# Altium PCB 6.PCB1.PcbDoc (continued)
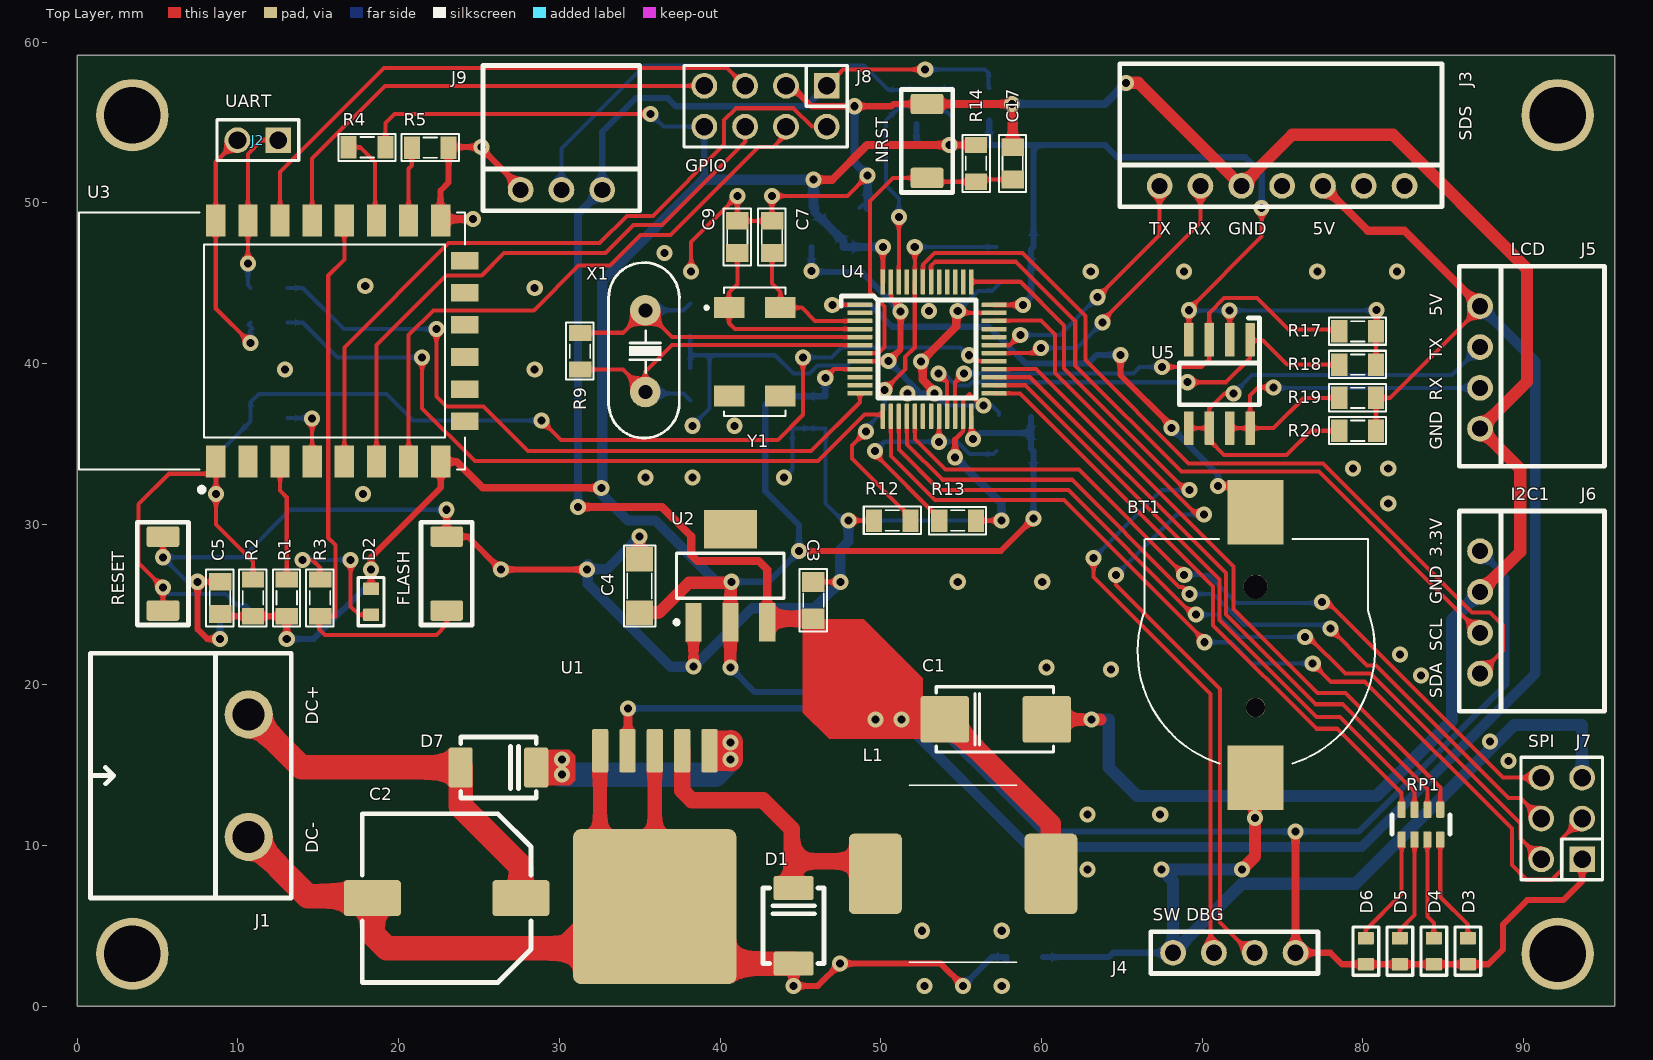
[diagram p0: Top Layer view]
## Footprints (in the part's own frame and the unit in brackets; to place one, negate y for a bottom-side part, rotate by r counter-clockwise, add the part's x,y. Pads: shape width x height; smd on the part's side, far side on the other; paste and mask are expansions set on the pad) (continued)
HEADER-4P-2.54-90 [mm] "2.54mm"
  round 1.6 hole 1 mask+0.1: 1(-3.81,0) 2(-1.27,0) 3(1.27,0) 4(3.81,0)
  silkscreen extent -6.15,-7.73 6.3,1.3, body extent -6.15,-7.73 6.15,0.3, height 5.84
HEADER-7P-2.54-90 [mm] "2.54mm"
  round 1.6 hole 1 mask+0.1: 1(-7.62,0) 2(-5.08,0) 3(-2.54,0) 4(0,0) 5(2.54,0) 6(5.08,0) 7(7.62,0)
  silkscreen extent -9.96,-7.6 10.1,1.3, body extent -9.96,-7.73 9.96,0.3, height 5.84
JP2-D1T [mm] "2 pins, 1 row, straight, gold plating"
  rect 1.6x1.6 hole 1.1: 1(0,0)
  round 1.6 hole 1.1: 2(2.54,0)
  silkscreen extent -1.27,-1.27 3.81,1.27, body extent -1.27,-1.27 3.81,1.27, height 8.54
JP3-D2T [mm] "6 pins, dual pin, straight, gold plating"
  rect 1.6x1.6 hole 1.1: 1(-2.54,-1.27)
  round 1.6 hole 1.1: 2(0,-1.27) 3(2.54,-1.27) 4(2.54,1.27) 5(0,1.27) 6(-2.54,1.27)
  silkscreen extent -3.81,-2.54 3.81,2.54, body extent -3.81,-2.54 3.81,2.54, height 8.55
JP4-D2T [mm] "8 pins, dual pin, straight, gold plating"
  rect 1.61x1.6 hole 1.1: 1(-3.81,-1.27)
  oval 1.61x1.6 hole 1.1: 2(-1.27,-1.27) 3(1.27,-1.27) 4(3.81,-1.27) 5(3.81,1.27) 6(1.27,1.27) 7(-1.27,1.27) 8(-3.81,1.27)
  silkscreen extent -5.08,-2.54 5.08,2.54, body extent -5.08,-2.54 5.08,2.54, height 8.55
KF7.62 [mm]
  round 3 hole 2 mask+0.1: 1(-3.81,0) 2(3.81,0)
  silkscreen extent -7.62,-9.85 7.62,2.65, body extent -7.62,-9.85 7.62,2.65, height 10.4
LED-SMD-0603-Blue [mm]
  rrect20% 0.8x1 smd: 1(-0.808,0) 2(0.808,0)
  silkscreen extent -1.5,-0.8 1.5,0.8, body extent -0.81,-0.5 0.81,0.5, height 0.98
Res-Array-0603x4 [mm]
  rrect20% 0.5x1 smd mask+0.1: 1(-1.2,-0.927) 2(-0.4,-0.927) 3(0.4,-0.927) 4(1.2,-0.927) 5(1.2,0.927) 6(0.4,0.927) 7(-0.4,0.927) 8(-1.2,0.927)
  silkscreen extent -1.8,-0.6 1.8,0.6, body extent -1.6,-0.8 1.6,0.8, height 0.61
RES-SMD-0805 [mil]
  rect 39.37x55 smd: 1(-45,0) 2(45,0)
  silkscreen extent -70,-34 70,33, body extent -39,-25 39,25, height 31
SM-CAP-0805 [mil]
  rect 50x55 smd: 1(0,0) 2(90,0)
  silkscreen extent -32,-34 121,33, body extent 6,-25 84,25, height 31
SM-Cap-1206 [mil]
  rect 60x65 smd: 1(0,0) 2(130,0)
  silkscreen extent -34,-38 164,39, body extent 1,-31 127,32, height 40
SOP8 [mm] "SMD"
  rrect20% 0.6x2.1 smd mask+0.1: 1(-1.905,-2.75) 2(-0.635,-2.75) 3(0.635,-2.75) 4(1.905,-2.75) 5(1.905,2.75) 6(0.635,2.75) 7(-0.635,2.75) 8(-1.905,2.75)
  silkscreen extent -2.5,-4.1 2.5,1.3, body extent -2.47,-3.05 8.3,3.06, height 10
SOT223 [mm]
  rect 1x2.4 smd: 1(-2.3,-2.9) 2(0,-2.9) 3(2.3,-2.9)
  rect 3.3x2.4 smd: 4(0,2.9)
  silkscreen extent -3.47,-3.02 3.35,1.4, body extent -3.25,-3.56 3.25,3.4, height 1.68
Tantalium7343Final [mm] "Molded Capacitor, 2-Leads, Body 10.00x6.00mm, IPC Medium Density"
  rrect10% 3x2.9 smd: 1(-3.175,0) 2(3.175,0)
  silkscreen extent -3.7,-2.03 3.6,2.03, body extent -3.85,-2.32 3.75,2.28, height 3.1
XT2 [mil] "Footpin for Crystal 2 pin"
  round 75 hole 34: 1(-100,0) 2(100,0)
  silkscreen extent -213,-83 217,90, body extent -216,-87 216,90, height 144

## Part data
BT1: library part BC501SM-TR, "3", Package="DFN-8 MPD", Availability=Unavailable, MF="MPD _Memory", MP=BC501SM-TR, Price=None, SnapEDA_Link=https://www.snapeda.com/parts/BC501SM-TR/MPD%20%28Memory%20Protection%20Devices%29/view-part/?ref=snap
C1: library part CP3, "220uF-10V tantalum 227A", Description 1="1000uF/6,3V - 470uF/16V - 330uF - 25V", Description 2="220uF/35V - 100uF/50V - 63V - 4,7uF/200V", Description 3="22uF => 33uF100V - 3,3uF => 4,7uF/250V", Description 4="2,2uF =>3,3uF/350 - 2,2uF/400V - 1uF/450V"
C2: library part CP3, "470uF/35V 10x10.5mm", Description 1="1000uF/6,3V - 470uF/16V - 330uF - 25V", Description 2="220uF/35V - 100uF/50V - 63V - 4,7uF/200V", Description 3="22uF => 33uF100V - 3,3uF => 4,7uF/250V", Description 4="2,2uF =>3,3uF/350 - 2,2uF/400V - 1uF/450V"
C3: library part CN, Designed by=VanDungEvn
C4: library part CN, "10uF-1206", Designed by=VanDungEvn
C5 C6 C17: library part CM, "Cap SMD 0805"
C7 C8 C9 C10: library part CM, "Cap SMD"
C11 C12 C13 C14 C16: library part CM, "Cap smd 0805"
C15: library part CP3, "4.7uF-16V tantalum 475C SMD3216", Description 1="1000uF/6,3V - 470uF/16V - 330uF - 25V", Description 2="220uF/35V - 100uF/50V - 63V - 4,7uF/200V", Description 3="22uF => 33uF100V - 3,3uF => 4,7uF/250V", Description 4="2,2uF =>3,3uF/350 - 2,2uF/400V - 1uF/450V"
D1 D7: library part Diode, "SS34 SMB", Code - JEDEC=DO-214-AB, Published=8-Jun-2000, Publisher="Altium Limited", Revision="July-2002: Re-released for DXP Platform."
D2 D3 D4 D5 D6: library part "LED SMD", "LED 0603"
FLASH NRST RESET: library part SW2, "Switch button 2 pin"
J1: Manufacturer="Würth Elektronik eiSos GmbH", partNo=691103110002, ComponentLink1 Description=Manufacturer, ComponentLink1URL=http://www.we-online.com, ComponentLink2 Description=Datasheet, ComponentLink2URL=http://katalog.we-online.de/em/datasheet/6911031100xx.pdf, Created by="Karrer Zheng", Created Date="29 October 2013", NoPins=2
J2: library part JP2, "WR-PHD 2.54 mm Angled Socket Header", Manufacturer="Würth Elektronik eiSos GmbH", partNo=613002143121, ComponentLink1 Description=Manufacturer, ComponentLink1URL=http://www.we-online.com, ComponentLink2 Description=Datasheet, ComponentLink2URL=http://katalog.we-online.de/em/datasheet/6130xx143121.pdf, Created by="Karrer Zheng", Created Date="29 March 2013", NoPins=02
J3: library part JP7, "WR-PHD 2.54 mm Angled Socket Header", Manufacturer="Würth Elektronik eiSos GmbH", partNo=613007143121, ComponentLink1 Description=Manufacturer, ComponentLink1URL=http://www.we-online.com, ComponentLink2 Description=Datasheet, ComponentLink2URL=http://katalog.we-online.de/em/datasheet/6130xx143121.pdf, Created by="Karrer Zheng", Created Date="29 March 2013", NoPins=07
J4: library part JP4x1-2.0, "Debug", Manufacturer="Würth Elektronik eiSos GmbH", partNo=62000411821, ComponentLink1 Description=Manufacturer, ComponentLink1URL=http://www.we-online.com, ComponentLink2 Description=Datasheet, ComponentLink2URL=http://katalog.we-online.de/em/datasheet/6200xx11821.pdf, Created by="Karrer Zheng", Created Date="2 April 2013", NoPins=04
J5 J6: library part JP4, "WR-PHD 2.54 mm Angled Socket Header", Manufacturer="Würth Elektronik eiSos GmbH", partNo=613004143121, ComponentLink1 Description=Manufacturer, ComponentLink1URL=http://www.we-online.com, ComponentLink2 Description=Datasheet, ComponentLink2URL=http://katalog.we-online.de/em/datasheet/6130xx143121.pdf, Created by="Karrer Zheng", Created Date="29 March 2013", NoPins=04
J7: library part JP3x2, "WR-PHD 2.54 mm Dual Socket Header", Manufacturer="Würth Elektronik eiSos GmbH", partNo=61300621821, ComponentLink1 Description=Manufacturer, ComponentLink1URL=http://www.we-online.com, ComponentLink2 Description=Datasheet, ComponentLink2URL=http://katalog.we-online.de/em/datasheet/6130xx21821.pdf, Created by="Karrer Zheng", Created Date="29 March 2013", NoPins=06
J8 RP1: library part JP4x2, "WR-PHD 2.54 mm Dual Socket Header", Manufacturer="Würth Elektronik eiSos GmbH", partNo=61300821821, ComponentLink1 Description=Manufacturer, ComponentLink1URL=http://www.we-online.com, ComponentLink2 Description=Datasheet, ComponentLink2URL=http://katalog.we-online.de/em/datasheet/6130xx21821.pdf, Created by="Karrer Zheng", Created Date="29 March 2013", NoPins=08
J9: library part JP3, "WR-PHD 2.54 mm Angled Socket Header", Manufacturer="Würth Elektronik eiSos GmbH", partNo=613003143121, ComponentLink1 Description=Manufacturer, ComponentLink1URL=http://www.we-online.com, ComponentLink2 Description=Datasheet, ComponentLink2URL=http://katalog.we-online.de/em/datasheet/6130xx143121.pdf, Created by="Karrer Zheng", Created Date="29 March 2013", NoPins=03
L1: library part L1, "47uH CDHR127"
Q1: library part BSS138*, "Mosfet n-Ch 50v 220ma Die", Package="TO-236-3 Micross", Availability=Unavailable, MF="MICROSS/On Semiconductor", MP=BSS138, Price=None, SnapEDA_Link=https://www.snapeda.com/parts/BSS138/MICROSS/On%20Semiconductor/view-part/?ref=snap
R1 R2 R3 R4 R5 R7 R8 R9 R10 R11 R12 R13 R14 R15 R16 R17 R18 R19 R20 R21: library part Res-SMD, "Resistor", Manufacturer="Generic Components", Class=Passive, Published=08/06/2000, Publisher="Altium Hobart Technology Centre"
  R1 R2 R3 R4 R5 R7 R8 R10 R11 R12 R13 R14 R15: Pull Down why ?="Discharge Capacitance between B, E that make noise curren from C to E"
R6: library part Res-SMD, "0 ohm Resistor", Manufacturer="Generic Components", Class=Passive, Published=08/06/2000, Publisher="Altium Hobart Technology Centre", Pull Down why ?="Discharge Capacitance between B, E that make noise curren from C to E"
U1: "Buck Switching Regulator IC Positive Fixed 5V 1 Output 3A TO-263-6, D²Pak _5 Leads + Tab_, TO-263BA", Package="TO-263-6 NEC", Availability=Unavailable, MF=Texas, MP=LM2596S-5.0, Price=None, SnapEDA_Link=https://www.snapeda.com/parts/LM2596S-5.0/Texas%20Instruments/view-part/105207/?ref=snap
U2: library part LM1117, "800mA Low-Dropout Linear Regulator", Creator="Nguyen Ba Bien", Website=http://group3i.net
U3: "This WiFi module has a 32-bit MCU micro and clock speeds supporting 80 MHz or 160 MHz. Supports the RTOS and integrated Wi-Fi MAC/BB/RF/PA/LNA, and has an on-board antenna.", Package=None, Availability=Unavailable, MF=AI-Thinker, MP=ESP8266-12E/ESP-12E, Price=None, SnapEDA_Link=https://www.snapeda.com/parts/ESP8266-12E/ESP-12E/AI-Thinker/view-part/?ref=snap
U4: "STM32", Package="LQFP-48 STMicroelectronics", Availability=Unavailable, MF=STMicroelectronics, MP=STM32F103C8T6, Price=None, SnapEDA_Link=https://www.snapeda.com/parts/STM32F103C8T6/STMicroelectronics/view-part/52195/?ref=snap
U5: library part MOSFET-N-DUAL
X1: library part XT2, "Crystal, 32.768 KHz, -40 to 85 degC, 3.2 x 1.5 x 0.9 mm SMD"
Y1: library part ABS25-32.768KHZ-T, "32.768kHz ±20ppm Crystal 12.5pF 50 kOhms 4-SOJ, 5.50mm pitch", Package="4-4 Abracon LLC", Availability=Unavailable, MF="Abracon LLC", MP=ABS25-32.768KHZ, Price=None, SnapEDA_Link=https://www.snapeda.com/parts/ABS25-32.768KHZ/Abracon%20LLC/view-part/478888/?ref=snap

## Free pads (board coordinates)
  round 4.5 hole 3.5 mask+0.1: 1(3.429,3.269) 1(3.429,55.452) 1(92.123,3.269) 1(92.123,55.452)

## Via types
v1: diameter 1, hole 0.5, Top Layer to Bottom Layer, tented both sides, 142 vias

## Nets (pads, with @x,y where several pads share a name; then routed paths per layer and width w, separated by ;. In a path a pad name is that pad's centre, name@x,y a point inside that pad or via, vN(x,y) a via of type N, cw(c..) or ccw(c..) an arc to the next point about the centre after c; other vN are vias at no path point)
3.3V: C4.2 C5.2 C11.2 C12.2 C13.2 C14.2 C15.1 C16.2 D2.1 D3.1 D4.1 D5.1 D6.1 J4.4 J6.4 J7.1 J8.5 Q1.1 R1.2 R2.2 R4.2 R10.1 R11.1 R14.2 R16.2 R17.1 R18.1 U2.2 U3.8 U4.9 U4.24 U4.36 U4.48 U5.2 U5.4 | length 341.4
  Top Layer w0.254: R4.2 19.177,54.968 19.746,55.537 v1(35.67,55.537) ; v1(46.55,39.109) 47.085,39.644 U4.9 ; U5.4 69.098,41.554 69.176,41.632 v1(69.176,43.312) 69.176,43.362 73.708,47.894 v1(73.708,49.667) ; U5.2 v1(71.716,43.284) ; R18.1 R17.1 80.858,42.042 v1(80.858,43.325)
  Top Layer w0.305: U4.48 v1(50.13,47.254) ; U4.24@55.642,36.702 55.642,35.417 v1(55.753,35.306) ; U4.36 v1(58.85,43.644)
  Top Layer w0.381: C5.2 9.033,24.273 R2.2 R1.2 v1(13.039,22.86) ; D2.1 v1(18.288,27.178) 18.288,27.94 22.621,32.273 U3.8 ; U2.2 U2.2@40.664,23.921 ; v1@40.664,26.355 v1(40.725,26.416) ; v1(44.918,28.33) 57.483,28.33 v1(59.506,30.353) ; v1(54.277,53.594) R14.2 ; J4.4 77.982,3.332 78.696,2.618 D6.1 D5.1 D4.1 D3.1 87.805,2.618 88.729,3.542 88.729,5.097 90.236,6.604 92.479,6.604 93.647,7.772 J7.1
  Top Layer w0.457: U3.8 22.636,33.887 23.621,33.887 25.235,32.273 28.082,32.273 28.097,32.258 v1(32.611,32.258)
  Top Layer w0.508: v1(45.822,51.435) 46.982,51.435 49.141,53.594 v1(54.277,53.594) ; J4.4 v1(75.813,10.876)
  Top Layer w0.762: C4.2 36.216,24.501 38.07,26.355 40.664,26.355 U2.2@40.664,23.921 ; v1(40.64,21.082) U2.2
  Bottom Layer w0.254: v1(35.67,55.537) 36.47,54.737 J8.5 ; R10.1@59.357,47.111 R10.1 ; v1@69.21,43.284 v1(71.716,43.284) 71.736,43.304 80.838,43.304 v1(80.858,43.325)
  Bottom Layer w0.381: v1(13.039,22.86) 14.732,22.86 18.288,26.416 v1(18.288,27.178) ; 39.021,51.503 J8.5 ; v1(40.64,21.082) 42.174,19.548 51.318,19.548 59.99,10.876 v1(75.813,10.876) 75.821,10.884 79.766,10.884 88.948,20.066 88.948,26.67 J6.4 ; v1(40.725,26.416) 43.03,26.416 v1@44.931,28.317 ; v1(44.918,28.33) 44.918,29.943 42.811,32.05 42.811,37.445 43.323,37.957 C11.2 C12.2 46.55,37.977 v1(46.55,39.109) ; Q1.1 52.222,53.937 52.565,53.594 v1(54.277,53.594) 56.893,53.594 ; v1(55.753,35.306) 55.81,35.306 56.178,35.674 59.357,35.674 ; R16.2 56.757,53.73 56.893,53.594 ; v1(58.85,43.644) 59.367,44.161 C14.2@59.367,45.075 ; C13.2@59.357,36.662 59.357,35.674 ; C14.2 R10.1@59.357,47.111 ; R10.1 59.5,53.584 ; v1(59.506,30.353) 59.5,30.359 R11.1 59.357,34.687 59.357,35.674 ; v1(73.708,49.667) 73.708,51.816 72.692,52.832 64.731,52.832 63.979,53.584 59.5,53.584 ; 56.893,53.594 59.51,53.594 59.5,53.584
  Bottom Layer w0.508: C15.1 45.887,49.411 47.687,47.612 C16.2 v1(50.13,47.254)
  Bottom Layer w0.635: 39.021,51.503 38.953,51.435 ; v1(40.725,26.416) 39.77,26.416 35.96,30.226 34.267,30.226 32.666,31.826 32.666,45.149 38.953,51.435 ; C15.1 45.822,49.733 v1(45.822,51.435) 38.953,51.435
5V: C1.1 C3.2 J3.3 J5.4 J8.1 J9.1 L1.2 R19.1 R20.1 R21.2 U1.4 U2.3 | length 210.7
  Top Layer w0.254: J8.1 46.646,57.277 47.662,58.293 v1(52.77,58.293) ; R20.1 R19.1 81.701,37.863 87.297,43.459 J5.4
  Top Layer w0.508: v1(31.163,31.07) 36.389,31.07 38.212,29.247 38.212,28.078 38.581,27.709 42.409,27.709 42.94,27.178 42.94,23.933 U2.3 ; U1.4@34.239,15.912 34.273,15.946 v1(34.273,18.542) ; J3.3 80.312,48.26 82.598,48.26 J5.4
  Top Layer w0.635: U2.3@42.94,23.933 U2.3@43.123,24.116 ; C3.2 C3.2@45.835,24.092
  Top Layer w0.762: C3.2@45.835,24.092 45.835,22.618 49.682,18.771 v1(49.682,17.852) v1(51.287,17.852) C1.1
  Top Layer w1.016: U2.3@43.123,24.116 C3.2
  Top Layer w1.27: C1.1@54.518,17.653 54.518,17.417 60.588,11.347 L1.2
  Bottom Layer w0.254: v1(52.77,58.293) 56.498,58.293 56.714,58.077 56.714,57.179 R21.2
  Bottom Layer w0.381: J9.1 32.671,54.429 34.757,56.515 36.751,56.515 37.259,56.007 45.366,56.007 46.636,57.277 J8.1 ; v1(34.273,18.542) 47.647,18.542 48.337,17.852 v1(49.682,17.852)
  Bottom Layer w0.508: v1(31.163,31.07) 31.163,49.3 J9.1
  Bottom Layer w0.635: v1(49.682,17.852) v1(51.287,17.852) 59.231,9.907 79.932,9.907 90.726,20.701 90.726,40.132 J5.4
12VDC: C2.1 D7.1 J1.1 | length 24.6
  Top Layer w1.524: J1.1@10.621,17.847 10.621,18.114 J1.1 13.97,14.859 D7.1 23.862,12.46 27.61,8.712 C2.1
BOOT0: R10.2 R12.1 U4.44 | length 25.3
  Top Layer w0.254: v1(49.078,35.764) 48.214,34.9 48.214,34.075 51.864,30.424 R12.1 ; v1(50.242,38.354) 51.525,39.637 51.525,40.399 52.118,40.992 52.118,45.062 U4.44 52.124,45.08 52.124,47.238 v1(52.118,47.244)
  Bottom Layer w0.254: v1(49.078,35.764) 49.078,35.964 50.242,37.128 v1(50.242,38.354) ; v1(52.118,47.244) 52.128,47.254 R10.2
BOOT1: R11.2 R13.1 U4.20 | length 15.8
  Top Layer w0.254: v1(49.635,34.544) 49.635,34.36 53.642,30.353 R13.1 ; v1(53.63,35.128) U4.20
  Bottom Layer w0.254: v1(49.635,34.544) 50.219,35.128 v1(53.63,35.128) 54.77,35.128 55.538,34.36 57.03,34.36 R11.2
GND: BT1.NEG C1.2 C3.1 C4.1 C5.1 C6.1 C7.1 C8.1 C9.1 C10.2 C11.1 C12.1 C13.1 C14.1 C15.2 C16.1 C17.1 FLASH.1 J3.5 J4.1 J5.1 J6.3 J7.3 J8.2 J9.3 NRST.1 R5.1 R12.2 R13.2 R15.1 RESET.1 U2.1 U3.15 U4.8 U4.23 U4.35 U4.47 | length 387.2
  Top Layer w0.254: v1(5.334,27.94) RESET.1 ; v1(7.493,26.416) C5.1 ; v1(24.638,48.981) v1@24.701,48.981 ; v1@25.11,53.431 v1@25.146,53.431 ; v1(38.207,45.72) 38.207,47.557 v1(41.079,50.429) C9.1 C7.1 43.228,48.889 v1(43.228,50.429) 47.927,50.429 v1(49.187,51.689) ; C3.1 v1(47.484,26.402) ; v1(47.986,30.226) R12.2 ; U4.8 v1(50.49,40.144) ; U4.47 50.643,45.061 50.643,44.047 51.242,43.448 v1(51.242,43.243) ; 54.63,35.277 55.117,35.764 55.117,36.701 U4.23 55.132,36.716 55.132,37.708 55.515,38.091 56.23,37.377 v1(56.397,37.377) ; v1(54.794,43.263) 54.913,43.144 U4.35 ; R13.2 v1(57.516,30.226)
  Top Layer w0.381: v1(7.493,26.416) 7.493,23.46 8.093,22.86 v1(8.89,22.86) ; U3.15 22.606,48.917 22.606,50.759 23.114,51.267 R5.1 23.15,53.467 25.073,53.467 v1@25.11,53.431 ; v1(22.987,30.897) FLASH.1 24.317,29.224 v1(26.363,27.178) v1(31.717,27.178) ; v1(25.146,53.467) 25.146,53.431 25.146,53.381 27.591,50.936 J9.3 ; J8.2 44.417,57.277 45.687,56.007 v1(48.375,56.007) 50.673,56.007 50.814,56.148 NRST.1 ; v1(50.49,40.144) 51.242,40.896 v1(51.242,43.243) ; v1(54.63,34.163) 54.63,35.277
  Top Layer w0.508: U3.15 22.7,48.981 v1(24.638,48.981) ; NRST.1 v1(58.166,56.148) ; v1(53.34,38.131) 53.34,38.264 52.612,38.992 52.612,40.023 52.713,40.124 52.679,40.158 52.679,40.285 54.7,42.306 54.7,43.169 v1(54.794,43.263)
  Top Layer w0.635: C4.1 35.052,27.867 34.988,27.93 v1(34.988,29.224) ; U2.1 38.35,23.887 38.35,21.162 38.34,21.152 v1(38.36,21.133) ; v1(58.166,56.148) 58.214,56.1 58.214,53.581 58.084,53.451 C17.1
  Top Layer w0.762: C1.2 v1(63.129,17.852) 63.681,17.852 ; v1(65.264,57.466) 66.026,57.466 J3.5 75.613,54.229 81.871,54.229 90.218,45.882 90.218,38.862 J5.1 89.802,33.436 89.802,28.286 J6.3 ; v1(72.481,8.509) 73.287,9.315 v1(73.287,11.728) 73.287,14.184 BT1.NEG
  Bottom Layer w0.254: v1(7.493,26.416) 7.408,26.501 6.773,26.501 v1(5.334,27.94) 10.28,27.94 13.237,30.897 v1(22.987,30.897) ; C10.2 38.148,40.513 ; C8.1 38.148,40.513 ; v1(38.274,36.123) 39.35,37.198 39.35,40.513 ; v1(43.991,32.893) 44.498,33.4 44.498,35.873 44.414,35.957 C11.1 C12.1 46.57,33.02 46.569,31.29 47.634,30.226 v1(47.986,30.226) v1(57.516,30.226) ; C15.2@48.679,49.667 C15.2@48.88,49.868 ; v1(50.49,40.144) 48.188,40.144 47.907,39.863 46.053,39.863 45.56,39.37 44.577,39.37 43.434,40.513 39.35,40.513 ; v1(53.34,38.131) 54.094,37.377 v1(56.397,37.377) 56.934,37.377 57.357,36.954 C13.1 ; v1(54.794,43.263) 56.045,44.513 56.934,44.513 57.357,44.936 C14.1 ; 38.148,40.513 39.35,40.513
  Bottom Layer w0.381: v1(8.89,22.86) 8.89,24.368 C6.1 ; C16.1 v1(45.687,45.766) 45.754,45.698 48.787,45.698 v1(51.242,43.243) ; v1(50.49,40.144) 52.503,38.131 v1(53.34,38.131) ; R15.1 64.185,3.057 64.46,3.332 J4.1
  Bottom Layer w0.508: v1(48.375,56.007) 48.375,52.501 v1(49.187,51.689) C15.2 ; v1(54.63,34.163) 57.516,31.277 v1(57.516,30.226) ; v1(58.166,56.148) 63.947,56.148 v1(65.264,57.466)
  Bottom Layer w0.635: v1(34.988,29.224) 32.979,27.215 32.058,27.215 31.764,27.509 31.764,26.29 36.921,21.133 v1(38.36,21.133) 41.992,24.765 45.847,24.765 v1(47.484,26.402) 47.484,28.421 47.986,28.923 v1(47.986,30.226)
  Bottom Layer w0.762: v1(63.129,17.852) 64.19,17.852 64.19,14.852 65.961,13.081 73.287,13.081 ; v1(72.481,8.509) v1(67.485,8.509) 68.193,7.801 J4.1 72.481,7.62 79.55,7.62 89.429,17.499 93.647,17.499 J7.3 ; v1(73.287,11.728) 73.287,13.081 ; J6.3 85.557,24.041 85.557,17.78 80.858,13.081 73.287,13.081
  other v1: 62.865,8.509 62.865,11.926 67.393,11.926 89.075,15.254 87.925,16.478 83.618,20.596 64.34,20.955 60.329,21.082 82.302,21.9 54.794,26.416 60.051,26.416 81.582,31.277 17.784,31.877 35.354,32.893 38.274,32.893 79.397,33.469 81.582,33.469 40.895,36.123 51.666,38.131 12.941,39.624 28.469,39.624 52.518,40.124 53.007,43.263 28.469,44.704 17.924,44.831 63.07,45.72 68.876,45.72 77.167,45.72 82.12,45.72 36.538,46.863
GPIO0: FLASH.2 R3.2 U3.18 | length 36.2
  Top Layer w0.254: U3.18 16.621,46.466 15.621,45.466 15.621,29.135 16.066,28.691 16.066,24.273 R3.2 15.062,24.222 15.062,23.46 15.408,23.114 22.352,23.114 22.987,23.749 FLASH.2
I2C-SCL: J6.2 U4.42 | length 46.5
  Top Layer w0.254: U4.42 53.13,46.088 53.371,46.329 58.421,46.329 62.103,42.647 62.103,39.878 68.707,33.274 77.264,33.274 J6.2
I2C-SDA: J6.1 U4.43 | length 52.3
  Top Layer w0.254: U4.43 52.63,46.157 53.352,46.879 58.824,46.879 62.738,42.965 62.738,40.213 69.164,33.787 77.513,33.787 86.789,24.511 87.925,24.511 88.729,23.707 88.729,22.133 J6.1
IO4: J8.4 U3.19 | length 30.1
  Top Layer w0.254: U3.19 14.621,52.744 19.154,57.277 J8.4
IO5: J8.3 U3.20 | length 35.1
  Top Layer w0.254: U3.20 12.621,51.915 19.098,58.392 40.441,58.392 41.556,57.277 J8.3
IO12: J8.6 U3.6 | length 36.4
  Top Layer w0.254: U3.6 18.621,41.139 22.948,45.466 25.172,45.466 26.569,46.863 32.865,46.863 34.61,48.608 36.399,48.608 41.566,53.776 41.566,54.732 J8.6
IO13: J8.7 U3.7 | length 37
  Top Layer w0.254: U3.7 20.621,41.766 22.162,43.307 28.411,43.307 31.192,46.088 33.14,46.088 35.058,48.006 36.923,48.006 42.384,53.467 43.314,53.467 44.101,54.254 J8.7
IO14: J8.8 U3.5 | length 44.7
  Top Layer w0.254: U3.5 16.621,41.005 23.114,47.498 32.512,47.498 34.203,49.189 35.828,49.189 40.259,53.62 40.259,55.143 40.996,55.88 44.579,55.88 45.722,54.737 J8.8
LED1: RP1.1 U4.28 | length 41.5
  Top Layer w0.254: U4.28 59.67,39.644 71.956,27.358 71.956,24.728 77.18,19.503 78.92,19.503 84.818,13.605 RP1.1
LED2: RP1.2 U4.27 | length 40.4
  Top Layer w0.254: U4.27 59.281,39.144 71.476,26.949 71.476,24.368 77.048,18.796 78.746,18.796 84.018,13.523 RP1.2
LED3: RP1.3 U4.26 | length 39.2
  Top Layer w0.254: U4.26 59.006,38.644 71.081,26.57 71.081,24.04 77.122,17.998 78.585,17.998 83.218,13.364 RP1.3
LED4: RP1.4 U4.25 | length 38.1
  Top Layer w0.254: U4.25 58.657,38.144 70.686,26.115 70.686,23.696 77.11,17.272 78.407,17.272 82.418,13.261 RP1.4
MOTOR: J9.2 Q1.3 R21.1 | length 29.7
  Bottom Layer w0.254: J9.2 30.131,53.385 35.293,58.547 48.973,58.547 50.49,57.03 51.195,57.03 Q1.3 54.442,57.107 R21.1
NetD1_2: D1.2 L1.1 U1.2 | length 19.2
  Top Layer w1.016: U1.2@37.643,15.912 37.643,13.422 38.238,12.827 42.672,12.827 44.464,11.035 44.464,9.02 ; D1.2@44.464,7.631 44.464,9.02 ; L1.1 48.888,9.02 44.464,9.02
NetD2_2: D2.2 R3.1 | length 9.4
  Top Layer w0.254: v1(14.021,27.782) 14.626,27.782 15.113,27.295 R3.1 ; v1(17.018,27.782) 17.018,24.874 17.526,24.366 D2.2
  Bottom Layer w0.254: v1(14.021,27.782) v1(17.018,27.782)
NetD3_2: D3.2 RP1.8 | length 6.9
  Top Layer w0.254: RP1.8 84.818,6.797 86.535,5.08 D3.2
NetD4_2: D4.2 RP1.7 | length 6.3
  Top Layer w0.254: RP1.7 84.018,5.584 84.419,5.184 D4.2
NetD5_2: D5.2 RP1.6 | length 6.5
  Top Layer w0.254: D5.2 82.302,4.761 83.218,5.677 RP1.6
NetD6_2: D6.2 RP1.5 | length 7.1
  Top Layer w0.254: D6.2 80.185,4.761 82.418,6.994 RP1.5
NetD7_2: D7.2 U1.1 | length 15.3
  Top Layer w0.254: U1.1@39.345,15.912 39.345,16.039 39.726,16.42 v1(40.656,16.42)
  Top Layer w1: D7.2@29.008,14.413 v1(30.156,14.413)
  Top Layer w1.524: D7.2 D7.2@29.008,14.413 ; v1(40.656,15.367) v1(40.656,16.42)
  Bottom Layer w1.524: v1(30.156,14.413) 39.702,14.413 v1(40.656,15.367)
  other v1: 30.156,15.367
NetR1_1: R1.1 U3.3 | length 7.5
  Top Layer w0.254: U3.3 12.621,32.083 13.039,31.665 R1.1
NetR4_1: R4.1 U3.17 | length 5.7
  Top Layer w0.254: R4.1 16.902,53.445 17.63,53.445 18.542,52.533 18.542,48.981 U3.17
NetR5_2: R5.2 U3.16 | length 4.8
  Top Layer w0.254: U3.16 20.621,52.117 20.818,52.314 20.818,53.04 R5.2@21.209,53.431
NetR6_1: R6.1 U3.4 | length 4.2
  Top Layer w0.254: v1(14.605,36.576) 14.621,36.56 U3.4
  Bottom Layer w0.254: R6.1 14.58,36.601 v1(14.605,36.576)
NRST: C17.2 NRST.2 R14.1 U4.7 | length 20.8
  Top Layer w0.254: U4.7 49.861,40.644 50.242,41.025 50.242,43.54 49.324,44.458 49.324,50.118 50.754,51.548 NRST.2 53.12,51.308 R14.1 56.071,51.451 C17.2
OSCIN: C8.2 R9.1 U4.5 X1.2 | length 21.6
  Top Layer w0.254: R9.1 33.957,41.91 X1.2 37.017,41.644 U4.5
  Bottom Layer w0.254: X1.2 35.36,43.313 37.725,43.313 C8.2
OSCOUT: C10.1 R9.2 U4.6 X1.1 | length 23
  Top Layer w0.254: R9.2 33.957,39.624 X1.1 35.354,39.497 37.001,41.144 U4.6
  Bottom Layer w0.254: X1.1 35.45,38.131 37.725,38.131 C10.1
PB9: Q1.2 R16.1 U4.46 | length 15.4
  Top Layer w0.254: U4.46 v1(51.13,49.112)
  Bottom Layer w0.254: v1(51.13,49.112) 51.13,50.254 50.322,51.062 Q1.2 50.322,55.107 51.222,56.007 53.568,56.007 53.899,55.676 54.098,55.676 54.471,55.303 R16.1
PC14: C7.2 U4.3 Y1.4 | length 8.9
  Top Layer w0.254: C7.2 43.238,44.981 43.761,44.458 Y1.4 45.087,43.473 45.916,42.644 U4.3
PC15: C9.2 U4.4 Y1.1 | length 12.9
  Top Layer w0.254: C9.2 41.079,44.933 40.561,44.415 Y1.1 40.561,42.504 40.921,42.144 U4.4
PGND: C2.2 D1.1 J1.2 R15.2 U1.3 U1.5 U1.6 | length 74.6
  Top Layer w0.381: D1.1 v1(44.577,1.27) 46.092,1.27 v1(47.475,2.653) 53.747,2.653 v1(55.13,1.27)
  Top Layer w0.889: U1.5 32.537,9.601 U1.6 U1.3
  Top Layer w1.524: J1.2 14.351,6.858 18.237,6.858 C2.2 18.364,4.5 19.257,3.607 U1.6@33.339,3.607 ; U1.6 39.486,2.653 D1.1
  Bottom Layer w0.381: v1(55.13,1.27) 56.916,3.057 57.63,3.057 57.828,2.858 R15.2
  other v1: 52.728,1.27 57.531,1.27 52.578,4.699 57.531,4.699
RST-E: C6.2 R2.1 R6.2 RESET.2 U3.1 U4.29 | length 88.1
  Top Layer w0.254: RESET.2@6.096,25.132 5.588,24.624 RESET.2 v1(5.334,26.059) 3.81,27.583 3.81,31.242 5.707,33.139 8.258,33.139 8.621,33.502 U3.1 8.636,33.887 v1(8.636,31.877) 8.636,29.972 10.939,27.669 R2.1 ; v1(28.887,36.449) 30.094,35.242 43.595,35.242 45.161,36.809 v1(45.161,40.38) ; v1(55.499,40.513) 55.701,40.513 56.057,40.157 57.047,40.157 U4.29
  Bottom Layer w0.254: v1(5.334,26.059) 5.334,26.035 5.715,25.654 9.244,25.654 9.942,24.955 10.483,24.955 10.906,24.532 C6.2 ; v1(8.636,31.877) 8.636,34.244 10.795,36.403 R6.2 10.795,37.592 11.303,38.1 19.256,38.1 20.907,36.449 v1(28.887,36.449) ; v1(45.161,40.38) 46.949,40.38 47.573,41.004 54.929,41.004 55.42,40.513 v1(55.499,40.513)
RX1: J3.7 U4.31 | length 16.2
  Top Layer w0.254: U4.31 58.044,41.144 v1(58.684,41.784) ; v1(63.5,44.123) 67.358,47.981 J3.7
  Bottom Layer w0.254: v1(58.684,41.784) 61.161,41.784 v1(63.5,44.123)
RX2: R8.1 U4.13 | length 43.7
  Top Layer w0.254: v1(21.463,40.38) 21.463,37.211 24.755,33.919 46.103,33.919 48.998,36.814 50.03,36.814 U4.13
  Bottom Layer w0.254: R8.1 14.034,42.545 16.198,40.38 v1(21.463,40.38)
RX3: R17.2 U4.22 U5.3 | length 31.2
  Top Layer w0.254: U4.22 54.63,38.836 v1(55.18,39.386) ; v1(67.5,39.784) 69.966,39.784 70.446,40.264 U5.3 70.446,43.149 71.366,44.069 73.411,44.069 75.377,42.103 R17.2@78.434,42.103 ; R17.2@78.335,42.004 R17.2@78.434,42.103 ; R17.2@78.434,42.103 78.534,42.202 R17.2 R17.2@78.434,42.103
  Bottom Layer w0.254: v1(55.18,39.386) 65.721,39.386 66.119,39.784 v1(67.5,39.784)
RX-LCD: J5.2 R19.2 U5.7 U5.8 | length 24.2
  Top Layer w0.254: U5.7 U5.8 ; v1(74.437,38.514) 73.483,38.514 72.986,38.016 U5.8 ; R19.2 76.324,37.863 74.437,35.977 U5.8
  Bottom Layer w0.254: v1(74.437,38.514) 74.47,38.481 J5.2
RXE: J2.1 R7.2 U3.21 | length 10.7
  Top Layer w0.254: v1(10.621,46.228) U3.21 10.621,53.039 11.481,53.899 J2.1
  Bottom Layer w0.254: v1(10.621,46.228) 10.621,44.878 R7.2
SPI-CLK: J7.6 U4.15 | length 53.6
  Top Layer w0.254: U4.15 51.13,34.643 53.642,32.131 61.672,32.131 69.292,24.511 v1@69.933,24.511 ; v1(76.395,22.987) 76.629,22.987 78.915,20.701 80.478,20.701 89.802,11.377 89.802,10.449 J7.6
  Bottom Layer w0.254: v1(69.612,24.368) v1@69.79,24.368 ; v1@69.933,24.511 v1@69.79,24.368 ; v1(76.395,22.987) 72.311,22.987 70.93,24.368 v1@69.79,24.368
SPI-MISO: J7.5 U4.16 | length 50.9
  Top Layer w0.254: U4.16 51.63,34.971 53.835,32.766 61.902,32.766 68.574,26.094 68.785,26.094 69.215,25.664 v1(69.215,25.654) ; v1(77.982,23.495) 80.268,21.209 80.82,21.209 89.075,12.954 89.802,12.954 91.072,11.684 J7.5
  Bottom Layer w0.254: v1(69.215,25.654) 70.695,25.654 72.608,23.741 77.736,23.741 v1(77.982,23.495)
SPI-MOSI: J7.4 U4.17 | length 49.2
  Top Layer w0.254: U4.17 52.13,35.294 54.024,33.4 62.335,33.4 v1(68.886,26.848) ; v1(77.47,25.146) 77.807,25.146 88.729,14.224 J7.4
  Bottom Layer w0.254: v1(68.886,26.848) 70.383,26.848 72.137,25.094 77.418,25.094 v1(77.47,25.146)
SPI-SS: J7.2 U4.14 | length 60.5
  Top Layer w0.254: U4.14 50.63,34.254 53.388,31.496 61.401,31.496 70.146,22.751 v1(70.146,22.653) ; v1(76.883,21.336) 78.026,20.193 80.146,20.193 89.281,11.059 89.281,8.789 90.196,7.874 91.764,7.874 92.377,8.487 92.377,10.414 J7.2
  Bottom Layer w0.254: v1(70.146,22.653) 71.789,22.653 73.107,21.336 v1(76.883,21.336)
SWCLK: J4.2 U4.37 | length 56.3
  Top Layer w0.254: U4.37@55.617,44.733 U4.37@55.617,45.059 ; U4.37 55.617,45.061 U4.37@55.617,45.059 ; v1(63.246,27.894) 63.246,26.718 70.533,19.431 70.533,3.532 J4.2 ; v1(69.215,32.131) 68.957,32.131 61.401,39.687 61.401,42.368 58.684,45.085 55.643,45.085 U4.37@55.617,45.059
  Bottom Layer w0.254: v1(63.246,27.894) 67.483,32.131 v1(69.215,32.131)
SWDIO: J4.3 U4.34 | length 53.7
  Top Layer w0.254: U4.34 57.08,42.664 59.967,42.664 60.833,41.798 60.833,39.421 69.647,30.607 v1(70.104,30.607) ; v1(64.643,26.828) 64.643,26.221 71.114,19.75 71.114,5.202 72.984,3.332 J4.3
  Bottom Layer w0.254: v1(64.643,26.828) 68.422,30.607 v1(70.104,30.607)
TX1: J3.6 U4.30 | length 18.6
  Top Layer w0.254: U4.30 59.649,40.644 v1(59.967,40.962) ; v1(63.802,42.545) 63.802,42.672 69.898,48.768 J3.6
  Bottom Layer w0.254: v1(59.967,40.962) 62.219,40.962 v1(63.802,42.545)
TX2: R7.1 U4.12 | length 44.1
  Top Layer w0.254: v1(22.352,42.144) 22.352,37.958 22.987,37.323 25.29,37.323 28.056,34.557 45.669,34.557 48.7,37.588 U4.12
  Bottom Layer w0.254: R7.1 14.034,44.704 16.593,42.144 v1(22.352,42.144)
TX3: R18.2 U4.21 U5.1 | length 30.6
  Top Layer w0.254: v1(53.594,39.37) 54.13,38.834 U4.21 ; v1(69.098,38.834) 71.48,38.834 72.971,40.325 72.971,41.462 U5.1 73.036,41.427 73.797,41.427 75.296,39.928 R18.2
  Bottom Layer w0.254: v1(53.594,39.37) 53.942,39.37 54.68,38.632 55.492,38.632 55.694,38.834 v1(69.098,38.834)
TX-LCD: J5.3 R20.2 U5.5 U5.6 | length 30.9
  Top Layer w0.254: U5.5 U5.6 ; v1(71.964,38.131) 71.383,38.131 70.446,37.194 U5.6 ; R20.2 76.768,35.814 75.254,34.3 71.372,34.3 70.446,35.227 U5.6
  Bottom Layer w0.254: v1(71.964,38.131) 73.114,39.281 85.557,39.281 87.132,40.856 87.132,41.021 J5.3
TXE: J2.2 R8.2 U3.22 | length 15.6
  Top Layer w0.254: J2.2 8.621,52.55 U3.22 8.621,43.423 v1(10.769,41.275)
  Bottom Layer w0.254: v1(10.769,41.275) 10.769,42.043 10.906,42.18 10.668,42.418 R8.2
VBAT: BT1.POS U4.1 | length 35.2
  Top Layer w0.254: v1(46.986,43.644) U4.1
  Top Layer w0.381: v1(64.922,40.532) 64.922,39.277 68.105,36.094 v1(68.105,35.977) ; v1(70.996,32.385) 71.93,32.385 73.327,30.988 BT1.POS
  Bottom Layer w0.381: v1(46.986,43.644) 49.342,43.644 50.702,42.284 56.725,42.284 59.005,40.004 62.925,40.004 63.453,40.532 v1(64.922,40.532) ; v1(68.105,35.977) 70.996,33.085 v1(70.996,32.385)
pads on no net: BT1.15 BT1.16 J3.1 J3.2 J3.4 U2.4 U3.2 U3.9 U3.10 U3.11 U3.12 U3.13 U3.14 U4.2 U4.10 U4.11 U4.18 U4.19 U4.32 U4.33 U4.38 U4.39 U4.40 U4.41 U4.45 Y1.2 Y1.3

## Polygon pours and split planes (outlines as drawn)
no net on Bottom Layer "Bottom Layer-No Net" (solid, pour order 10): -3,19.661
no net on Top Layer "Top Layer-No Net 1" (solid, pour order 26): 0.127,20.701
no net on Top Layer "Top Layer-No Net" (solid, pour order 8): -2.873,20.828
no net on Internal Plane 13 (split plane): 95.169,0.51 0.51,0.51 0.51,58.672 95.169,58.672
no net on Internal Plane 13 (split plane): 52.591,55.45 49.953,55.45 49.953,56.564 52.591,56.564

## Other copper
Top Layer:
  region net 5V: 52.631,19.302 52.631,20.402 48.946,24.087 46.005,24.087 45.161,23.243 45.161,18.274 46.798,16.637 52.578,16.637
  region net 5V: 46.355,23.622 46.355,23.114 50.419,19.05 52.631,19.05 52.631,17.149 52.635,17.145 52.631,17.141 52.631,16.637 49.53,16.637 45.161,21.006 45.161,24.059 45.218,24.116
  region: 43.761,9.627
  region net NetD7_2: 40.64,17.145 40.64,14.668 39.497,14.668 39.497,16.988 39.345,17.141
  region net NetD7_2: 28.702,16.002 28.745,15.959 30.613,15.959 30.988,15.584 30.988,14.077 30.67,13.759 29.163,13.759
  region net PGND: 29.312,15.959
  region: 10.033,19.304
  region net 5V: 52.197,18.796
  region net PGND: 29.845,4.191 29.899,4.191 31.496,5.788 31.496,3.302

## Silkscreen, mask and mechanical layers (free items; w line width, h text height)
Top Overlay:
  text "TX" at 66.723,48.006 h0.76
  text "RX" at 69.098,48.006 h0.76
  text "GND" at 71.638,48 h0.76
  text "5V" at 76.883,48 h0.76
  text "5V" at 84.935,42.926 h0.76 r90
  text "TX" at 84.935,40.221 h0.76 r90
  text "RX" at 84.935,37.681 h0.76 r90
  text "GND" at 84.935,34.633 h0.76 r90
  text "3.3V" at 84.935,27.94 h0.76 r90
  text "GND" at 84.935,25.019 h0.76 r90
  text "SCL" at 84.935,22.098 h0.76 r90
  text "SDA" at 84.935,19.177 h0.76 r90
  text "DC+" at 14.986,17.526 h0.76 r90
  text "DC-" at 14.986,9.51 h0.76 r90
  text "SW DBG" at 66.929,5.334 h0.76
Bottom Overlay:
  text "GND" at 27.94,52.959 h0.76
  text "SIGN" at 31.369,52.959 h0.76
  text "5V" at 33.471,52.959 h0.76